# KiCad board 8851_HW-U1-VCU118_REV2-0_071417.kicad_pcb (continued)
## Routing (per net, layer and track width the routed paths; a pad name or vN(x,y) marks a point on that pad's centre or on a via; arc(x,y) is an arc through that point) (continued)
QSFP1_RESETL: length 14.4
  TOP w0.138: 48.69,25.82 v3(47.3,25.82)
  03_SIG1 w0.17: v3(57.53,25.85) 57.53,25.03 57.13,24.63 50.54,24.63 49.35,25.82 v3(47.3,25.82)
  BOTTOM w0.15: 57.53,27.16 v3(57.53,25.85)
QSFP1_RESETL_LS: length 135.6
  TOP w0.15: 133.6,63.33 v2(134.09,62.84)
  18_SIG6 w0.087: v3(60.06,35.44) 60.75,36.13 60.75,40.88 63.67,43.8 63.67,45.83 61.97,47.53 61.97,63.02 63.63,64.68 63.63,71.56 64.03,71.95 64.03,75.77 v3(65.16,76.91)
  BOTTOM w0.111: v2(134.09,62.84) 133.95,62.84 133.36,62.25 132.83,62.25 132.57,61.99 132.57,61.64 132.39,61.46 131.84,61.46 131.63,61.67 131.63,62.07 131.35,62.35
  BOTTOM w0.15: v3(65.16,76.91) 65.16,77.31 66.95,79.1 80.08,79.1 81.4,80.42 87.09,80.42 90.41,77.11 98.87,77.11 99.15,76.83 99.15,76.4 99.43,76.12 99.84,76.12 100.13,75.83 100.13,75.42 100.41,75.14 100.82,75.14 101.12,74.84 101.12,74.43 101.4,74.16 101.81,74.16 102.1,73.86 102.1,73.47 102.4,73.17 102.79,73.17 103.05,72.91 103.05,72.52 103.42,72.15 103.9,72.15 104.07,71.98 104.07,71.45 104.32,71.2 104.76,71.2 105.03,70.94 105.03,70.55 105.36,70.22 105.81,70.22 106.05,69.97 106.05,69.52 106.32,69.25 106.72,69.25 107,68.97 107,68.57 107.32,68.25 107.8,68.25 107.97,68.08 107.97,67.6 108.28,67.3 110.7,67.3 110.95,67.55 110.95,67.97 111.25,68.28 111.72,68.28 111.97,68.53 111.97,68.95 112.26,69.24 115.59,69.24 116.4,68.42 116.4,68.02 117.16,67.27 126.43,67.27 126.71,66.99 126.71,66.58 127.01,66.28 127.4,66.28 127.69,65.99 127.69,65.6 128.33,64.96 129.34,64.96 129.99,64.31 130.51,64.31 130.65,64.17 130.65,62.64 130.94,62.35 131.35,62.35 ; 57.53,32.91 57.53,34.06 57.75,34.28 58.9,34.28 v3(60.06,35.44)
  vias: v5(55.79,31.09)
QSFP1_RX1_N: length 90
  TOP w0.102: v5(45.65,18.73) 45.73,18.65 arc(45.87,18.56) 46.02,18.53 46.65,18.53 arc(46.75,18.55) 46.84,18.61 47.2,18.97 arc(47.24,19.01) 47.3,19.02 arc(47.31,19.02) 47.33,19.02 47.36,19.02 arc(47.37,19.02) 47.38,19.02 arc(47.41,19.02) 47.44,19 47.44,19 arc(47.46,18.99) 47.47,18.98 47.67,18.78 arc(47.72,18.74) 47.78,18.73 48.69,18.73
  TOP w0.113: v2(112.44,42.17) 112.93,42.66
  05_SIG2 w0.107: v2(112.44,42.17) 112.44,42.45 arc(112.41,42.53) 112.33,42.56 112.19,42.56 arc(112.09,42.52) 112.05,42.42 112.05,41.86 arc(112.95,42.04) 112.18,41.53 arc(112.3,41.38) 112.36,41.2 arc(112.37,41.13) 112.38,41.07 112.38,40.63 arc(112.4,40.52) 112.46,40.43
  05_SIG2 w0.15: 112.46,40.43 112.46,40.22 arc(111.97,37.77) 110.58,35.69 107.43,32.54 arc(107.99,32.16) 107.33,32.29 arc(107.25,31.93) 107.05,31.61 107.04,31.61 arc(105.62,30.66) 103.95,30.33 100.69,30.33 arc(100.32,30.25) 100,30.04 99.62,29.66 arc(99.25,29.42) 98.82,29.33 98.38,29.33 arc(98.12,29.28) 97.9,29.13 96.64,27.87 arc(96.45,27.74) 96.22,27.69 95.65,27.69 arc(95.43,27.65) 95.25,27.53 91.01,23.28 arc(90.49,22.94) 89.88,22.82 89.62,22.82 arc(88.94,22.68) 88.36,22.29 87.34,21.28 arc(86.67,20.83) 85.89,20.68 82.39,20.68 arc(81.08,20.41) 79.97,19.67 77.58,17.28 arc(76.99,16.88) 76.29,16.74 73.81,16.74 arc(73.57,16.69) 73.36,16.55 73.22,16.41 arc(72.91,16.21) 72.55,16.14 56.02,16.14 arc(55.28,16.28) 54.65,16.7 54.32,17.04 54.32,17.04 arc(54.05,17.17) 53.75,17.21 49.12,17.21 arc(48.3,17.38) 47.61,17.84 47.58,17.88 arc(47.37,18.18) 47.3,18.54 47.3,18.78 arc(47.26,18.88) 47.16,18.93 arc(47.07,18.91) 47,18.86 46.87,18.73 arc(46.26,18.48) v5(45.65,18.73)
QSFP1_RX1_P: length 93.2
  TOP w0.102: v5(45.65,19.52) 45.77,19.63 arc(45.86,19.7) 45.98,19.72 46.63,19.72 arc(46.75,19.7) 46.84,19.63 47.2,19.28 arc(47.23,19.26) 47.26,19.25 47.42,19.25 arc(47.46,19.26) 47.48,19.28 47.69,19.48 arc(47.73,19.51) 47.78,19.52 48.69,19.52
  TOP w0.113: v2(112.44,43.15) 112.93,43.64
  05_SIG2 w0.107: v2(112.44,43.15) 112.44,42.87 arc(112.41,42.79) 112.33,42.76 112.19,42.76 arc(111.95,42.66) 111.85,42.42 111.85,41.86 arc(113.13,42.12) 112.04,41.39 arc(112.12,41.28) 112.17,41.16 arc(112.17,41.11) 112.17,41.07 112.17,40.68 arc(112.15,40.56) 112.08,40.46
  05_SIG2 w0.15: 112.08,40.46 112.08,40.22 arc(111.62,37.91) 110.31,35.95 107.16,32.8 arc(108.34,32.02) 106.95,32.29 arc(106.91,32.07) 106.78,31.88 106.77,31.87 arc(105.48,31.01) 103.95,30.7 100.69,30.7 arc(100.17,30.6) 99.74,30.31 99.36,29.93 arc(99.11,29.76) 98.82,29.7 98.38,29.7 arc(97.98,29.62) 97.64,29.4 96.37,28.13 arc(96.3,28.08) 96.22,28.07 95.65,28.07 arc(95.29,28) 94.99,27.79 90.74,23.55 arc(90.35,23.28) 89.88,23.19 89.62,23.19 arc(88.79,23.03) 88.09,22.56 87.08,21.54 arc(86.53,21.18) 85.89,21.05 82.39,21.05 arc(80.94,20.76) 79.71,19.94 77.31,17.54 arc(76.84,17.23) 76.29,17.12 73.81,17.12 arc(73.42,17.04) 73.09,16.82 72.95,16.68 arc(72.77,16.55) 72.55,16.51 56.02,16.51 arc(55.42,16.63) 54.91,16.97 54.85,17.04 54.85,17.04 54.56,17.33 54.53,17.35 arc(54.16,17.53) 53.75,17.59 51.68,17.59 arc(51.77,17.81) 51.55,17.72 arc(51.51,17.81) 51.42,17.85 50.78,17.85 arc(50.69,17.81) 50.65,17.72 arc(50.61,17.63) 50.52,17.59 49.12,17.59 arc(48.45,17.72) 47.88,18.1 47.84,18.14 arc(47.72,18.32) 47.67,18.54 47.67,18.86 arc(47.55,19.17) 47.24,19.3 arc(47.08,19.33) 46.94,19.42 46.84,19.52 arc(46.25,19.77) v5(45.65,19.52)
QSFP1_RX2_N: length 76.9
  TOP w0.102: 51.16,19.13 52.07,19.13 arc(52.17,19.15) 52.25,19.2 52.4,19.35 arc(52.48,19.41) 52.58,19.43 52.71,19.43 arc(52.78,19.42) 52.85,19.4 arc(52.89,19.38) 52.93,19.34 53.19,19.08 arc(53.33,18.99) 53.5,18.95 53.98,18.95 arc(54.15,18.92) 54.3,18.82 54.48,18.64 arc(54.54,18.6) 54.61,18.59 55.46,18.59 arc(55.57,18.61) v5(55.66,18.67)
  TOP w0.113: v2(111.45,44.14) 111.95,44.63
  05_SIG2 w0.107: v2(111.45,44.14) 111.45,44.42 arc(111.42,44.5) 111.35,44.53 111.34,44.53 arc(111.15,44.45) 111.08,44.27 111.08,41.96 arc(111.75,42.09) 111.18,41.71 111.18,41.68
  05_SIG2 w0.15: 111.18,41.68 111.18,41.01 111.18,40.98 111.19,40.97 arc(111.21,40.75) 111.21,40.52 arc(111.21,40.31) 111.19,40.1 arc(111.19,40.1) 111.19,40.1 111.11,39.49 arc(111.01,38.92) 110.85,38.36 110.82,38.29 arc(110.32,37.25) 109.6,36.35 107.02,33.77 arc(106.83,33.64) 106.6,33.6 arc(106.53,33.58) 106.48,33.55 104.88,31.95 arc(104.37,31.61) 103.77,31.49 99.76,31.49 arc(99.2,31.38) 98.73,31.06 arc(97.93,30.53) 96.99,30.34 96.21,30.34 arc(95.85,30.27) 95.54,30.06 92.61,27.13 arc(91.83,26.49) 90.95,26.02 arc(89.99,25.73) 88.99,25.63 83.39,25.63 arc(82.37,25.43) 81.51,24.85 78.36,21.71 arc(76.98,20.78) 75.35,20.46 73.04,20.46 arc(72.66,20.38) 72.33,20.16 71.59,19.43 arc(70.82,18.91) 69.9,18.73 57.24,18.73 arc(57.22,18.73) 57.21,18.72 57.18,18.72 arc(57.07,18.7) 56.97,18.63 arc(56.87,18.57) 56.76,18.55 55.96,18.55 arc(55.8,18.58) v5(55.66,18.67)
QSFP1_RX2_P: length 76.8
  TOP w0.102: 51.16,19.91 51.96,19.91 arc(52.1,19.89) 52.22,19.81 52.29,19.74 arc(52.38,19.67) 52.5,19.65 52.71,19.65 arc(52.83,19.64) 52.94,19.61 arc(53.02,19.56) 53.09,19.5 53.35,19.24 arc(53.42,19.2) 53.5,19.18 54.01,19.18 arc(54.13,19.2) 54.22,19.27 54.42,19.46 arc(54.52,19.53) 54.64,19.56 55.43,19.56 arc(55.55,19.53) v5(55.66,19.46)
  TOP w0.113: v2(111.45,45.12) 111.95,45.61
  05_SIG2 w0.107: v2(111.45,45.12) 111.45,44.84 arc(111.42,44.76) 111.35,44.73 111.34,44.73 arc(111.01,44.59) 110.88,44.27 110.88,41.85 arc(110.86,41.76) 110.8,41.68
  05_SIG2 w0.15: 110.8,41.68 110.8,41 110.81,40.82 110.83,40.81 arc(110.84,40.66) 110.84,40.52 arc(110.83,40.33) 110.82,40.14 110.74,39.53 arc(110.65,39) 110.49,38.49 110.47,38.41 arc(110,37.45) 109.34,36.62 106.75,34.03 arc(106.68,33.99) 106.6,33.97 arc(106.39,33.93) 106.21,33.81 104.62,32.21 arc(104.23,31.96) 103.77,31.86 99.76,31.86 arc(99.06,31.73) 98.46,31.33 arc(97.79,30.87) 96.99,30.72 96.21,30.72 arc(95.71,30.61) 95.28,30.33 92.34,27.39 arc(91.62,26.8) 90.81,26.37 arc(89.92,26.1) 88.99,26.01 83.39,26.01 arc(82.23,25.77) 81.25,25.12 78.1,21.97 arc(76.84,21.13) 75.35,20.83 73.04,20.83 arc(72.51,20.73) 72.06,20.43 71.33,19.69 arc(70.67,19.25) 69.9,19.1 57.22,19.1 arc(57.21,19.1) 57.2,19.1 arc(57.11,19.13) 57.05,19.2 arc(57.67,19.38) 57.03,19.37 arc(57,19.47) 56.91,19.53 56.8,19.56 arc(56.76,19.56) 56.71,19.57 55.91,19.57 arc(55.77,19.54) v5(55.66,19.46)
QSFP1_RX3_N: length 83.2
  TOP w0.102: v5(45.65,21.09) 45.73,21.02 arc(45.87,20.93) 46.02,20.89 46.65,20.89 arc(46.75,20.91) 46.84,20.97 47.2,21.33 arc(47.24,21.37) 47.3,21.39 arc(47.31,21.39) 47.33,21.39 47.36,21.39 arc(47.37,21.39) 47.38,21.39 arc(47.41,21.38) 47.44,21.37 47.44,21.37 arc(47.46,21.36) 47.47,21.35 47.67,21.14 arc(47.72,21.11) 47.78,21.09 48.69,21.09
  TOP w0.113: v2(110.47,42.17) 110.96,42.66
  05_SIG2 w0.107: 110.16,41.04 110.16,41.07 arc(110.1,41.16) 110.08,41.27 110.08,42.45 arc(110.11,42.53) 110.19,42.56 110.36,42.56 arc(110.44,42.53) 110.47,42.45 v2(110.47,42.17)
  05_SIG2 w0.15: 110.16,41.04 110.16,40.59 arc(110.09,40.19) 109.87,39.84 109.86,39.83 109.82,39.79 arc(109.7,39.61) 109.65,39.39 109.65,39.14 arc(109.45,38.13) 108.88,37.27 106.57,34.96 arc(106.12,34.66) 105.59,34.56 arc(105.32,34.5) 105.1,34.35 104.36,33.62 arc(103.59,33.1) 102.69,32.92 99.37,32.92 arc(98.92,32.83) 98.54,32.58 98.08,32.12 arc(97.39,31.66) 96.58,31.5 95.55,31.5 arc(94.96,31.38) 94.46,31.05 92.26,28.84 arc(91.48,28.33) 90.57,28.14 81.52,28.14 arc(81.22,28.08) 80.96,27.91 80.96,27.91 arc(80.47,27.58) 79.9,27.47 66.85,27.47 arc(66.39,27.38) 66,27.11 60.11,21.23 arc(58.98,20.47) 57.64,20.2 52.37,20.2 arc(52.07,20.26) 51.81,20.43 arc(51.74,20.48) 51.65,20.5 50.38,20.5 arc(50.36,20.5) 50.34,20.48 arc(50.03,20.28) 49.66,20.2 48,20.2 arc(48.49,21.39) 47.3,20.9 47.3,21.15 arc(47.26,21.25) 47.16,21.29 arc(47.07,21.27) 47,21.22 46.87,21.09 arc(46.26,20.84) v5(45.65,21.09)
QSFP1_RX3_P: length 86.9
  TOP w0.102: 48.69,21.88 47.78,21.88 arc(47.73,21.87) 47.69,21.84 47.48,21.64 arc(47.46,21.62) 47.42,21.61 47.26,21.61 arc(47.23,21.62) 47.2,21.64 46.84,21.99 arc(46.75,22.06) 46.63,22.08 45.98,22.08 arc(45.86,22.06) 45.77,22 v5(45.65,21.88)
  TOP w0.113: v2(110.47,43.15) 110.96,43.64
  05_SIG2 w0.107: v2(110.47,43.15) 110.47,42.87 arc(110.44,42.79) 110.36,42.76 110.19,42.76 arc(109.97,42.67) 109.88,42.45 109.88,41.28 arc(109.86,41.16) 109.79,41.06
  05_SIG2 w0.15: 109.79,41.06 109.79,40.59 arc(109.74,40.33) 109.59,40.1 109.59,40.09 109.55,40.06 arc(111.09,39.04) 109.28,39.39 109.28,39.14 arc(109.11,38.27) 108.62,37.54 106.31,35.23 arc(105.98,35.01) 105.59,34.93 arc(105.18,34.85) 104.83,34.62 104.1,33.88 arc(103.45,33.45) 102.69,33.3 99.37,33.3 arc(98.78,33.18) 98.27,32.84 97.82,32.38 arc(97.25,32.01) 96.58,31.87 95.55,31.87 arc(94.82,31.73) 94.19,31.31 91.99,29.11 arc(91.34,28.67) 90.57,28.52 81.52,28.52 arc(81.07,28.43) 80.7,28.18 80.69,28.17 arc(80.33,27.93) 79.9,27.84 66.85,27.84 arc(66.25,27.72) 65.73,27.38 59.85,21.49 arc(58.83,20.82) 57.64,20.58 54.05,20.58 arc(54.13,20.77) 53.94,20.69 arc(53.9,20.79) 53.8,20.84 53.48,20.84 arc(53.38,20.79) 53.34,20.69 arc(53.3,20.61) 53.22,20.58 52.37,20.58 arc(52.21,20.61) 52.08,20.7 arc(51.88,20.83) 51.65,20.88 50.38,20.88 arc(50.21,20.84) 50.08,20.75 arc(49.89,20.62) 49.66,20.58 48,20.58 arc(48.23,21.13) 47.67,20.9 47.67,21.23 arc(47.55,21.53) 47.24,21.66 arc(47.08,21.69) 46.94,21.79 46.84,21.88 arc(46.25,22.13) v5(45.65,21.88)
QSFP1_RX4_N: length 78
  TOP w0.102: 51.16,21.49 52.09,21.49 arc(52.13,21.5) 52.17,21.52 52.39,21.74 arc(52.48,21.8) 52.59,21.83 53.1,21.83 arc(53.28,21.79) 53.43,21.69 arc(53.56,21.6) 53.72,21.57 53.98,21.57 arc(54.15,21.53) 54.3,21.43 54.48,21.26 arc(54.54,21.22) 54.61,21.2 55.46,21.2 arc(55.57,21.22) v5(55.66,21.29)
  TOP w0.113: v2(109.49,44.14) 109.98,44.63
  05_SIG2 w0.107: v2(109.49,44.14) 109.49,44.42 arc(109.45,44.5) 109.38,44.53 109.24,44.53 arc(109.15,44.49) 109.11,44.39 109.11,41.81 arc(109.79,41.94) 109.21,41.56
  05_SIG2 w0.15: 109.21,41.56 109.21,41.34 arc(109.09,40.73) 108.74,40.21 108.71,40.18 arc(108.57,39.98) 108.5,39.73 arc(109.96,39.63) 108.5,39.66 arc(108.31,38.7) 107.76,37.88 107.35,37.47 arc(103.78,35.08) 99.56,34.24 96.69,34.24 arc(94.46,33.8) 92.57,32.53 91.38,31.34 arc(89.15,29.85) 86.51,29.32 81.05,29.32 arc(80.63,29.24) 80.27,29 80.17,28.9 arc(79.9,28.72) 79.58,28.66 66.08,28.66 arc(65.43,28.53) 64.88,28.16 63.61,26.89 arc(62.46,26.12) 61.1,25.85 61.1,25.85 arc(60.62,25.75) 60.22,25.48 59.07,24.33 arc(58.88,24.07) 58.77,23.77 58.77,22.46 arc(58.71,22.17) 58.55,21.93 58.32,21.69 arc(58.14,21.57) 57.92,21.53 57.13,21.53 arc(57.08,21.52) 57.04,21.49 arc(56.98,21.42) 56.92,21.35 arc(56.73,21.22) 56.51,21.18 55.92,21.18 arc(55.78,21.21) v5(55.66,21.29)
QSFP1_RX4_P: length 79.2
  TOP w0.102: 51.16,22.28 52.1,22.28 arc(52.17,22.26) 52.23,22.23 52.31,22.14 arc(52.41,22.07) 52.53,22.05 53.1,22.05 arc(53.36,22) 53.59,21.85 arc(53.65,21.81) 53.72,21.79 54.01,21.79 arc(54.16,21.82) 54.29,21.91 54.42,22.03 arc(54.55,22.12) 54.71,22.16 55.46,22.16 arc(55.57,22.13) v5(55.66,22.07)
  TOP w0.113: v2(109.49,45.12) 109.98,45.61
  05_SIG2 w0.107: v2(109.49,45.12) 109.49,44.84 arc(109.45,44.76) 109.38,44.73 109.24,44.73 arc(109,44.63) 108.91,44.39 108.91,41.77 arc(108.89,41.67) 108.83,41.6
  05_SIG2 w0.15: 108.83,41.6 108.83,41.34 arc(108.74,40.87) 108.48,40.47 108.45,40.45 arc(108.23,40.14) 108.13,39.77 arc(110.34,39.61) 108.12,39.66 arc(107.96,38.84) 107.49,38.14 107.09,37.74 arc(103.63,35.43) 99.56,34.62 96.69,34.62 arc(94.32,34.14) 92.31,32.8 91.12,31.61 arc(89,30.19) 86.51,29.7 81.05,29.7 arc(80.48,29.59) 80.01,29.27 79.9,29.16 arc(79.75,29.06) 79.58,29.03 66.08,29.03 arc(65.29,28.87) 64.62,28.42 63.35,27.15 arc(62.32,26.46) 61.1,26.22 arc(60.48,26.1) 59.96,25.75 58.8,24.59 arc(58.54,24.24) 58.4,23.83 arc(58.4,23.82) 58.4,23.81 arc(58.4,23.8) 58.4,23.79 58.4,23.57 arc(58.38,23.5) 58.32,23.45 arc(58.29,23.43) 58.25,23.43 58.23,23.43 arc(58.12,23.38) 58.08,23.28 58.08,22.98 arc(58.33,23.08) 58.23,22.83 arc(58.27,22.82) 58.32,22.8 arc(58.37,22.74) 58.4,22.66 58.4,22.46 arc(58.37,22.31) 58.29,22.19 58.05,21.96 arc(57.99,21.92) 57.92,21.9 57.4,21.9 arc(57.28,21.93) 57.17,22 arc(56.92,22.17) 56.62,22.23 56.03,22.23 arc(55.83,22.19) v5(55.66,22.07)
QSFP1_TX1_N: length 74.7
  TOP w0.102: 51.16,31.72 52.03,31.72 arc(52.1,31.71) 52.15,31.68 52.37,31.45 arc(52.43,31.41) 52.5,31.4 52.76,31.4 arc(52.84,31.42) 52.91,31.46 arc(53.03,31.55) 53.18,31.57 54.25,31.57 arc(54.5,31.52) 54.72,31.38 54.78,31.31 arc(54.9,31.24) 55.03,31.21 55.08,31.21 arc(55.12,31.22) 55.15,31.24 55.42,31.51 arc(55.48,31.55) 55.54,31.56 56.43,31.56 arc(56.54,31.54) v5(56.63,31.48)
  TOP w0.113: v2(110.47,47.09) 110.96,47.58
  03_SIG1 w0.107: v2(110.47,47.09) 110.47,47.27 arc(110.53,47.42) 110.68,47.48 arc(110.81,47.43) 110.86,47.3 110.86,41.81 arc(110.83,41.67) 110.76,41.55
  03_SIG1 w0.15: v5(56.63,31.48) 56.7,31.55 arc(56.85,31.65) 57.01,31.68 57.56,31.68 arc(57.68,31.66) 57.78,31.59 57.98,31.39 arc(58.07,31.33) 58.17,31.31 58.74,31.31 arc(59.03,31.43) 59.14,31.71 arc(59.26,32) 59.55,32.12 59.64,32.12 arc(59.93,32) 60.04,31.71 arc(60.73,32) 60.45,31.31 62.08,31.31 arc(64.22,30.89) 66.03,29.68 arc(66.62,29.28) 67.32,29.14 80.03,29.14 arc(80.66,29.27) 81.2,29.62 81.4,29.82 arc(82.55,30.59) 83.91,30.86 85.76,30.86 arc(87.16,31.14) 88.35,31.94 89.53,33.12 arc(91.3,34.3) 93.38,34.72 102.68,34.72 arc(103.96,34.97) 105.05,35.7 110.65,41.3 arc(110.73,41.42) 110.76,41.55
QSFP1_TX1_P: length 73.8
  TOP w0.102: 51.16,30.94 52.06,30.94 arc(52.18,30.96) 52.27,31.03 52.37,31.12 arc(52.43,31.16) 52.5,31.18 52.76,31.18 arc(52.93,31.21) 53.07,31.3 arc(53.12,31.34) 53.18,31.35 54.25,31.35 arc(54.42,31.32) 54.56,31.22 54.64,31.14 arc(54.81,31.03) 55,30.99 55.02,30.99 arc(55.12,30.97) 55.2,30.92 55.45,30.66 arc(55.51,30.62) 55.58,30.61 56.43,30.61 arc(56.54,30.63) v5(56.63,30.69)
  TOP w0.113: v2(110.47,48.07) 110.96,48.57
  03_SIG1 w0.107: v2(110.47,48.07) 110.47,47.79 arc(110.65,47.86) 110.58,47.68 110.68,47.68 arc(110.95,47.57) 111.06,47.3 111.06,41.72 arc(111.08,41.63) 111.13,41.55
  03_SIG1 w0.15: v5(56.63,30.69) 56.67,30.65 arc(56.85,30.53) 57.05,30.49 57.43,30.49 arc(57.63,30.53) 57.8,30.65 58.03,30.88 arc(58.03,30.88) 58.03,30.88 arc(58.1,30.92) 58.17,30.94 62.08,30.94 arc(64.07,30.54) 65.76,29.41 arc(66.48,28.93) 67.32,28.76 80.03,28.76 arc(80.81,28.92) 81.46,29.36 81.66,29.56 arc(82.69,30.25) 83.91,30.49 85.76,30.49 arc(87.3,30.8) 88.61,31.67 89.8,32.86 arc(91.44,33.96) 93.38,34.34 102.68,34.34 arc(104.11,34.63) 105.31,35.43 110.92,41.03 arc(111.07,41.27) 111.13,41.55
QSFP1_TX2_N: length 85.3
  TOP w0.102: v5(45.65,31.33) 45.77,31.44 arc(45.86,31.51) 45.98,31.53 46.63,31.53 arc(46.75,31.51) 46.84,31.44 47.2,31.09 arc(47.23,31.07) 47.26,31.06 47.42,31.06 arc(47.46,31.07) 47.48,31.09 47.69,31.29 arc(47.73,31.32) 47.78,31.33 48.69,31.33
  TOP w0.113: v2(108.5,47.09) 108.99,47.58
  03_SIG1 w0.107: 108.81,41.56 108.81,41.58 108.89,41.67 108.89,47.3 arc(108.84,47.43) 108.72,47.48 108.61,47.48 arc(108.53,47.45) 108.5,47.37 v2(108.5,47.09)
  03_SIG1 w0.15: 108.81,41.56 108.81,41.22 arc(108.79,41.12) 108.73,41.04 104.63,36.94 arc(103.57,36.23) 102.32,35.98 92.36,35.98 arc(90.84,35.68) 89.55,34.82 88.18,33.45 arc(87.66,33.1) 87.04,32.98 83.96,32.98 arc(83.28,32.84) 82.7,32.45 arc(81.03,31.34) 79.06,30.95 67.75,30.95 arc(66.74,31.15) 65.88,31.72 65.06,32.54 arc(63.81,33.37) 62.34,33.67 53.77,33.67 arc(53.96,34.13) 53.5,33.94 53.5,34.09 arc(53.42,34.28) 53.23,34.36 52.87,34.36 arc(52.68,34.28) 52.6,34.09 52.6,33.94 arc(52.52,33.75) 52.33,33.67 49.87,33.67 arc(49.22,33.54) 48.68,33.17 47.52,32.01 arc(48.69,31.23) 47.31,31.51 47.31,31.25 arc(47.26,31.13) 47.15,31.09 47.12,31.09 arc(47.08,31.09) 47.05,31.11 47.04,31.11 arc(46.98,31.17) 46.91,31.24 46.86,31.29 arc(46.66,31.43) 46.41,31.48 46,31.48 arc(45.81,31.44) v5(45.65,31.33)
QSFP1_TX2_P: length 83
  TOP w0.102: 48.69,30.54 47.78,30.54 arc(47.72,30.56) 47.67,30.59 47.47,30.8 arc(47.46,30.8) 47.44,30.81 arc(47.44,30.81) 47.44,30.81 47.44,30.81 arc(47.41,30.83) 47.38,30.84 arc(47.37,30.84) 47.36,30.84 47.33,30.84 arc(47.31,30.84) 47.3,30.83 arc(47.24,30.82) 47.2,30.78 46.84,30.42 arc(46.75,30.36) 46.65,30.34 46.02,30.34 arc(45.87,30.37) 45.73,30.46 v5(45.65,30.54)
  TOP w0.113: v2(108.5,48.07) 108.99,48.57
  03_SIG1 w0.107: 109.18,41.56 109.18,41.58 109.09,41.67 109.09,47.3 arc(108.98,47.57) 108.72,47.68 108.61,47.68 arc(108.68,47.86) 108.5,47.79 v2(108.5,48.07)
  03_SIG1 w0.15: 109.18,41.56 109.18,41.22 arc(109.13,40.98) 109,40.78 104.89,36.67 arc(103.71,35.88) 102.32,35.61 92.36,35.61 arc(90.98,35.33) 89.81,34.55 88.44,33.18 arc(87.8,32.75) 87.04,32.6 83.96,32.6 arc(83.42,32.49) 82.96,32.19 arc(81.17,30.99) 79.06,30.57 67.75,30.57 arc(66.59,30.8) 65.61,31.46 64.8,32.27 arc(63.67,33.03) 62.34,33.29 49.87,33.29 arc(49.37,33.19) 48.94,32.91 47.78,31.75 arc(48.34,31.38) 47.68,31.51 47.68,31.28 arc(47.52,30.88) 47.12,30.71 47.1,30.71 arc(47.02,30.69) 46.95,30.65 46.79,30.49 arc(46.68,30.41) 46.54,30.38 46.04,30.38 arc(45.83,30.43) v5(45.65,30.54)
QSFP1_TX3_N: length 82.3
  TOP w0.102: 51.16,29.36 51.93,29.36 arc(52.08,29.33) 52.2,29.25 52.26,29.19 arc(52.34,29.13) 52.43,29.09 arc(52.49,29.1) 52.54,29.1 53.24,29.1 arc(53.31,29.08) 53.38,29.04 53.38,29.03 arc(53.42,29.01) 53.47,28.99 53.48,28.99 arc(53.49,28.99) 53.49,28.99 54.4,28.99 arc(54.52,29.02) 54.61,29.08 54.84,29.31 arc(54.89,29.34) 54.96,29.36 55.85,29.36 arc(55.96,29.34) v5(56.05,29.28)
  TOP w0.113: v2(106.53,47.09) 107.02,47.58
  03_SIG1 w0.107: v2(106.53,47.09) 106.53,47.37 arc(106.56,47.45) 106.64,47.48 106.75,47.48 arc(107.01,47.59) 107.12,47.86 107.12,48.23 arc(107.19,48.4) 107.35,48.47 111.61,48.47 arc(111.78,48.4) 111.85,48.23 111.85,41.84 arc(111.82,41.72) 111.75,41.62
  03_SIG1 w0.15: v5(56.05,29.28) 56.22,29.45 arc(56.38,29.55) 56.55,29.59 56.89,29.59 arc(57,29.56) 57.1,29.5 57.47,29.13 arc(57.52,29.09) 57.59,29.08 57.94,29.08 arc(57.99,29.1) 58.01,29.16 arc(58.03,29.21) 58.09,29.23 58.84,29.23 arc(58.89,29.21) 58.91,29.16 arc(59.04,29.21) 58.99,29.08 59.33,29.08 arc(59.49,29.15) 59.56,29.31 arc(59.62,29.47) 59.79,29.53 60.23,29.53 arc(60.39,29.47) 60.46,29.31 arc(60.85,29.47) 60.69,29.08 61.06,29.08 arc(61.14,29.1) 61.21,29.14 arc(61.47,29.31) 61.77,29.38 63.59,29.38 arc(64.34,29.23) 64.97,28.8 arc(65.91,28.17) 67.02,27.95 80.3,27.95 arc(81.11,28.12) 81.8,28.57 arc(83.02,29.39) 84.46,29.68 85.22,29.68 arc(88.86,30.4) 91.94,32.46 92.45,32.97 arc(93.09,33.39) 93.84,33.54 102.64,33.54 arc(104.38,33.89) 105.85,34.87 111.44,40.46 arc(111.67,40.81) 111.75,41.22 111.75,41.62
QSFP1_TX3_P: length 81.7
  TOP w0.102: 51.16,28.57 51.91,28.57 arc(52.04,28.6) 52.15,28.68 52.21,28.74 arc(52.33,28.82) 52.47,28.87 arc(52.5,28.87) 52.54,28.88 53.15,28.88 arc(53.22,28.86) 53.28,28.82 53.29,28.81 arc(53.34,28.78) 53.4,28.77 53.49,28.77 arc(53.49,28.77) 53.49,28.77 54.39,28.77 arc(54.55,28.73) 54.69,28.64 54.87,28.46 arc(54.93,28.42) 55,28.4 55.85,28.4 arc(55.96,28.43) v5(56.05,28.49)
  TOP w0.113: v2(106.53,48.07) 107.02,48.57
  03_SIG1 w0.107: v2(106.53,48.07) 106.53,47.79 arc(106.72,47.86) 106.64,47.68 106.75,47.68 arc(106.87,47.73) 106.92,47.86 106.92,48.23 arc(107.05,48.54) 107.35,48.67 111.61,48.67 arc(111.92,48.54) 112.05,48.23 112.05,41.81 arc(112.07,41.71) 112.13,41.62
  03_SIG1 w0.15: 112.13,41.62 112.13,41.22 arc(112.02,40.67) 111.7,40.19 106.11,34.6 arc(104.52,33.54) 102.64,33.17 93.84,33.17 arc(93.23,33.05) 92.71,32.7 92.21,32.2 arc(89,30.05) 85.22,29.3 84.46,29.3 arc(83.16,29.04) 82.07,28.31 arc(81.26,27.77) 80.3,27.58 67.02,27.58 arc(65.77,27.83) 64.71,28.53 arc(64.19,28.88) 63.59,29 61.77,29 arc(61.61,28.97) 61.47,28.88 arc(61.28,28.75) 61.06,28.7 57.59,28.7 arc(57.57,28.7) 57.55,28.69 57.36,28.5 arc(57.2,28.39) 57.01,28.35 56.38,28.35 arc(56.2,28.39) v5(56.05,28.49)
QSFP1_TX4_N: length 97.1
  TOP w0.102: 48.69,28.97 47.78,28.97 arc(47.73,28.96) 47.69,28.93 47.48,28.72 arc(47.46,28.71) 47.42,28.7 47.26,28.7 arc(47.23,28.71) 47.2,28.73 46.84,29.08 arc(46.75,29.15) 46.63,29.17 45.98,29.17 arc(45.86,29.15) 45.77,29.08 v5(45.65,28.97)
  TOP w0.113: v2(104.56,47.09) 105.06,47.58
  03_SIG1 w0.107: 106.54,41 106.54,41 arc(107.04,41.33) 106.45,41.22 106.45,41.32 arc(106.41,41.49) 106.31,41.64 106.15,41.81 arc(106.18,41.83) 106.14,41.82 106.14,48.23 arc(106.01,48.54) 105.71,48.67 104.33,48.67 arc(104.08,48.56) 103.97,48.3 103.97,47.86 arc(104.62,48.13) 104.35,47.48 104.46,47.48 arc(104.53,47.45) 104.56,47.37 v2(104.56,47.09)
  03_SIG1 w0.15: 106.54,41 106.54,40.25 arc(106.48,39.98) 106.33,39.75 104.37,37.79 arc(103.32,37.09) 102.09,36.85 86.74,36.85 arc(85.8,36.66) 85,36.13 81.78,32.9 arc(80.49,32.04) 78.96,31.74 68.42,31.74 arc(67.14,31.99) 66.05,32.72 62.77,36 arc(62.04,36.48) 61.18,36.66 45.1,36.66 arc(43.7,36.07) 43.11,34.67 43.11,29.27 arc(43.12,29.23) 43.15,29.19 43.57,28.77 arc(43.62,28.74) 43.68,28.73 44.04,28.73 arc(44.07,28.73) 44.1,28.75 44.23,28.88 arc(44.46,29.04) 44.73,29.09 45.35,29.09 arc(45.52,29.06) v5(45.65,28.97)
QSFP1_TX4_P: length 99.6
  TOP w0.102: v5(45.65,28.18) 45.73,28.1 arc(45.87,28.01) 46.02,27.98 46.65,27.98 arc(46.75,28) 46.84,28.06 47.2,28.42 arc(47.24,28.45) 47.3,28.47 arc(47.31,28.47) 47.33,28.47 47.36,28.47 arc(47.37,28.47) 47.38,28.47 arc(47.41,28.47) 47.44,28.45 47.44,28.45 arc(47.44,28.45) 47.44,28.45 arc(47.46,28.44) 47.47,28.43 47.67,28.23 arc(47.72,28.19) 47.78,28.18 48.69,28.18
  TOP w0.113: v2(104.56,48.07) 105.06,48.57
  03_SIG1 w0.107: v2(104.56,48.07) 104.56,47.79 arc(104.53,47.71) 104.46,47.68 104.35,47.68 arc(104.47,47.98) 104.17,47.86 104.17,48.3 arc(104.22,48.42) 104.33,48.47 105.71,48.47 arc(105.87,48.4) 105.94,48.23 105.94,41.82 arc(106.36,41.9) 106,41.66 106.17,41.5 arc(106.23,41.41) 106.25,41.32 106.25,41.2 arc(106.22,41.09) 106.16,41
  03_SIG1 w0.15: 106.16,41 106.16,40.25 arc(106.14,40.13) 106.07,40.02 104.11,38.06 arc(103.18,37.44) 102.09,37.22 86.74,37.22 arc(85.66,37.01) 84.74,36.39 81.52,33.17 arc(80.34,32.39) 78.96,32.11 68.42,32.11 arc(67.28,32.34) 66.31,32.98 63.04,36.26 arc(62.18,36.83) 61.18,37.03 45.1,37.03 arc(43.43,36.34) 42.74,34.67 42.74,31.16 arc(42.68,31.03) 42.55,30.98 arc(42.42,30.92) 42.37,30.79 42.37,30.26 arc(42.68,30.39) 42.55,30.08 arc(42.68,30.02) 42.74,29.89 42.74,29.27 arc(42.78,29.09) 42.88,28.93 43.3,28.51 arc(43.48,28.39) 43.68,28.35 44.05,28.35 arc(44.11,28.34) 44.17,28.3 arc(44.43,28.13) 44.73,28.07 45.38,28.07 arc(45.53,28.1) v5(45.65,28.18)
QSFP1_VCC1_FILT: length 4.1
  TOP w0.3: 51.16,26.21 53.84,26.21 v3(54.27,26.65)
  BOTTOM w0.375: 53.44,26.65 v3(54.27,26.65)
  vias: v3(43.62,31.5) v3(44.32,31.52) v3(62.6,28.2) v3(63.61,28.24)
QSFP1_VCCRX_FILT: length 2.6
  TOP w0.3: 48.69,25.03 v3(47.3,25.03)
  BOTTOM w0.375: 48.23,24.45 47.65,25.03 v3(47.3,25.03)
  vias: v3(45.02,24.33) v3(45.02,22.98) v3(62,35.85) v3(62.05,35.1)
QSFP1_VCCTX_FILT: length 6.1
  TOP w0.3: v3(52.57,25.22) 52.37,25.43 51.16,25.43
  TOP w0.375: v3(65.12,27.53) 64.76,27.16 L71.2 v3(62.01,27.16)
  BOTTOM w0.375: v3(52.57,25.22) 52.52,25.17 51.25,25.17
  vias: v3(44.72,26.26) v3(44.75,27.51)
QSFP2_IIC_SCL: length 122.1
  TOP w0.138: 48.69,49.42 v3(47.3,49.42)
  03_SIG1 w0.17: v3(51.28,145.13) 51.68,144.73 51.8,144.73 52.34,144.18 53.01,144.18 53.33,143.87 53.72,143.47 53.72,140.83 52.07,139.18 50.14,139.18 49.43,138.46 49.43,132.66 46.84,130.07 45.79,129.02 45.79,125.99 42.41,122.61 42.41,117.33 39.62,114.55 39.62,107.72 40.55,106.8 40.55,103.22 39.55,102.22 39.55,101.11 40.84,99.83 40.84,95.86 40.28,95.31 40.28,93.57 37.09,90.38 37.09,83.62 35.1,81.63 35.1,69.6 34.93,69.43 34.93,67.28 36.75,65.46 36.75,55.07 41.14,50.68 45.77,50.68 45.97,50.48 46.21,50.48 46.28,50.55 46.53,50.55 46.76,50.32 46.76,50.08 46.69,50 46.69,49.76 47.03,49.42 v3(47.3,49.42)
  BOTTOM w0.15: v3(51.28,145.13) 51.03,144.87 50.09,144.87 48.9,144.87 47.9,145.88 R92.2
QSFP2_IIC_SDA: length 121.5
  TOP w0.138: v3(46.75,48.78) 46.9,48.63 48.69,48.63
  03_SIG1 w0.17: v3(46.75,48.78) 46.75,48.93 45.54,50.14 40.91,50.14 36.21,54.84 36.21,65.24 34.39,67.06 34.39,69.66 34.55,69.82 34.55,81.85 36.54,83.84 36.54,90.6 39.73,93.79 39.73,95.53 40.29,96.09 40.29,99.6 39.01,100.88 39.01,102.45 40.01,103.45 40.01,106.56 39.08,107.5 39.08,114.77 41.86,117.56 41.86,122.84 45.24,126.22 45.24,129.24 48.88,132.88 48.88,138.69 49.92,139.73 51.85,139.73 53.18,141.05 53.18,143.25 52.78,143.64 52.12,143.64 51.57,144.19 51.47,144.19 v3(51.28,144)